# Altium PCB S6.PcbDoc (part 13 of 14) (continued)
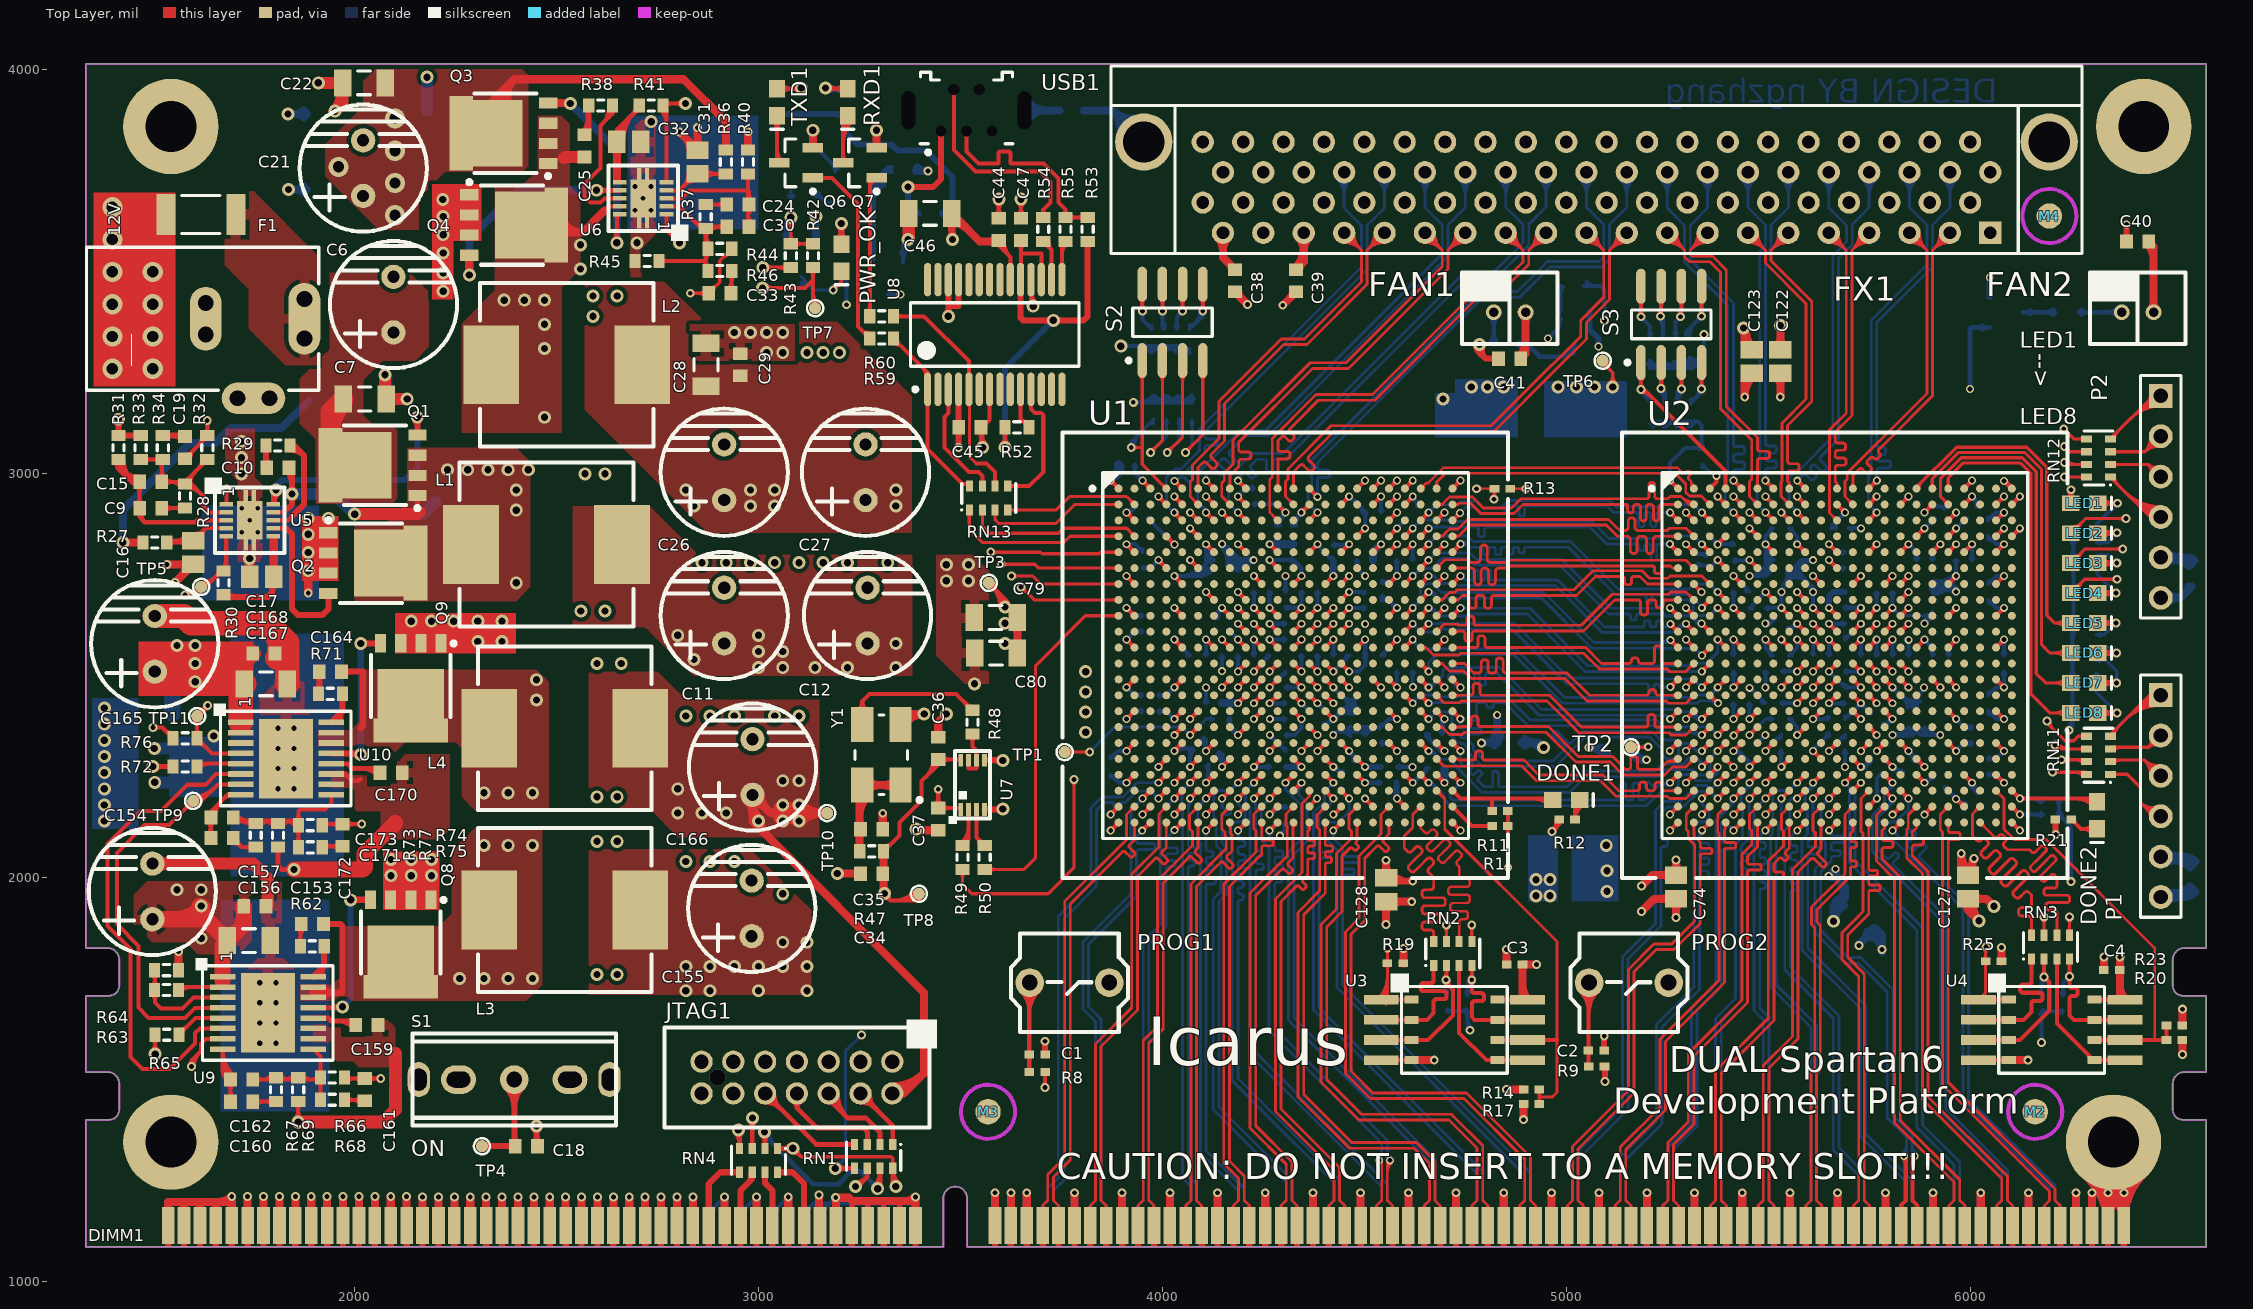
[diagram p0: Top Layer view]
## Nets (pads, with @x,y where several pads share a name; then routed paths per layer and width w, separated by ;. In a path a pad name is that pad's centre, name@x,y a point inside that pad or via, vN(x,y) a via of type N, cw(c..) or ccw(c..) an arc to the next point about the centre after c; other vN are vias at no path point) (continued)
; U2.L16@5867.17,2569.69 v1(5886.85,2589.37) ; U2.L16@5867.17,2574.53 ccw(c5867.17,2586.22) 5875.43,2577.95 ccw(c5883.7,2569.69) U2.L16@5872.01,2569.69 ; U2.D16@5867.17,2845.28 v1(5886.85,2864.96) ; U2.D16@5867.17,2850.12 ccw(c5867.17,2861.81) 5875.43,2853.54 ccw(c5883.7,2845.28) U2.D16@5872.01,2845.28 ; v1@5882.01,2589.37 cw(c5870.32,2589.37) 5878.58,2581.1 cw(c5886.85,2572.84) v1@5886.85,2584.53 ; v1@5882.01,2864.96 cw(c5870.32,2864.96) 5878.58,2856.7 cw(c5886.85,2848.43) v1@5886.85,2860.12 ; U2.E17@5906.54,2805.91 v1(5926.22,2825.59) ; U2.E17@5906.54,2810.75 ccw(c5906.54,2822.44) 5914.8,2814.17 ccw(c5923.07,2805.91) U2.E17@5911.38,2805.91 ; v1@5921.38,2825.59 cw(c5909.69,2825.59) 5917.95,2817.32 cw(c5926.22,2809.06) v1@5926.22,2820.75 ; U2.U18@5945.91,2328.62 cw(c5945.91,2316.93) 5954.17,2325.2 cw(c5962.44,2333.46) U2.U18@5950.75,2333.46 ; U2.U18@5945.91,2333.46 v1(5965.59,2313.78) ; U2.N18@5945.91,2486.1 cw(c5945.91,2474.41) 5954.17,2482.68 cw(c5962.44,2490.95) U2.N18@5950.75,2490.95 ; U2.N18@5945.91,2490.95 v1(5965.59,2471.26) ; U2.J18@5945.91,2648.43 v1(5965.59,2668.11) ; U2.J18@5945.91,2653.27 ccw(c5945.91,2664.96) 5954.17,2656.69 ccw(c5962.44,2648.43) U2.J18@5950.75,2648.43 ; v1@5960.75,2313.78 ccw(c5949.06,2313.78) 5957.32,2322.05 ccw(c5965.59,2330.31) v1@5965.59,2318.62 ; v1@5960.75,2471.26 ccw(c5949.06,2471.26) 5957.32,2479.53 ccw(c5965.59,2487.79) v1@5965.59,2476.1 ; v1@5960.75,2668.11 cw(c5949.06,2668.11) 5957.32,2659.84 cw(c5965.59,2651.58) v1@5965.59,2663.27 ; U2.E19@5985.28,2805.91 v1(6004.96,2825.59) ; U2.E19@5985.28,2810.75 ccw(c5985.28,2822.44) 5993.54,2814.17 ccw(c6001.81,2805.91) U2.E19@5990.12,2805.91 ; U2.B19@5985.28,2924.02 v1(6004.96,2943.7) ; U2.B19@5985.28,2928.86 ccw(c5985.28,2940.55) 5993.54,2932.28 ccw(c6001.81,2924.02) U2.B19@5990.12,2924.02 ; v1@6000.12,2825.59 cw(c5988.43,2825.59) 5996.69,2817.32 cw(c6004.96,2809.06) v1@6004.96,2820.75 ; v1@6000.12,2943.7 cw(c5988.43,2943.7) 5996.69,2935.44 cw(c6004.96,2927.17) v1@6004.96,2938.86 ; U2.W21@6064.02,2249.88 cw(c6064.02,2238.19) 6072.28,2246.46 cw(c6080.55,2254.72) U2.W21@6068.86,2254.72 ; U2.W21@6064.02,2254.72 v1(6083.7,2235.04) ; U2.R21@6064.02,2407.36 cw(c6064.02,2395.67) 6072.28,2403.94 cw(c6080.55,2412.2) U2.R21@6068.86,2412.2 ; U2.R21@6064.02,2412.2 v1(6083.7,2392.52) ; U2.L21@6064.02,2569.69 v1(6083.7,2589.37) ; U2.L21@6064.02,2574.53 ccw(c6064.02,2586.22) 6072.28,2577.95 ccw(c6080.55,2569.69) U2.L21@6068.86,2569.69 ; U2.G21@6064.02,2727.17 v1(6083.7,2746.85) ; U2.G21@6064.02,2732.01 ccw(c6064.02,2743.7) 6072.28,2735.43 ccw(c6080.55,2727.17) U2.G21@6068.86,2727.17 ; U2.C21@6064.02,2884.65 v1(6083.7,2904.33) ; U2.C21@6064.02,2889.49 ccw(c6064.02,2901.18) 6072.28,2892.91 ccw(c6080.55,2884.65) U2.C21@6068.86,2884.65 ; v1@6078.86,2235.04 ccw(c6067.17,2235.04) 6075.44,2243.31 ccw(c6083.7,2251.57) v1@6083.7,2239.88 ; v1@6078.86,2392.52 ccw(c6067.17,2392.52) 6075.44,2400.79 ccw(c6083.7,2409.05) v1@6083.7,2397.36 ; v1@6078.86,2589.37 cw(c6067.17,2589.37) 6075.44,2581.1 cw(c6083.7,2572.84) v1@6083.7,2584.53 ; v1@6078.86,2746.85 cw(c6067.17,2746.85) 6075.44,2738.58 cw(c6083.7,2730.32) v1@6083.7,2742.01 ; v1@6078.86,2904.33 cw(c6067.17,2904.33) 6075.44,2896.07 cw(c6083.7,2887.8) v1@6083.7,2899.49
  Top Layer w15: C45.2@3489.61,3107.2 cw(c3475.45,3093.04) 3495.47,3093.04 ; C45.2@3489.61,3122.8 ccw(c3475.45,3136.96) 3495.47,3136.96 ; v3(3495.47,3065.47) U8.4@3495.47,3209.13 ; 3495.47,3093.2 cw(c3515.28,3093.2) C45.2@3501.27,3107.2 ; 3495.47,3136.8 ccw(c3515.28,3136.8) C45.2@3501.27,3122.8 ; U8.4@3495.43,3209.17 U8.4@3495.47,3209.13
  Top Layer w20: C166.1@2970.86,2190.86 cw(c2936.72,2156.72) 2985,2156.72 cw(c3033.28,2156.72) C166.1@2999.14,2190.86 ; C166.1@2985,2185 cw(c2985,2136.72) 3019.14,2170.86 cw(c3053.28,2205) C166.1@3005,2205 ; C166.1@2985,2190.7 ccw(c3050.7,2190.7) v2@3004.24,2144.24 ; v2@3006,2140 ccw(c3056.7,2140) 3020.85,2104.15 ; 3034.48,2159.44 ccw(c3029.59,2183.58) v2@3054.04,2180.7 ; 3034.48,2160.56 cw(c3029.59,2136.42) v2@3054.04,2139.3 ; v2@3047.21,2145.68 cw(c3069.23,2135.9) 3069.23,2160 cw(c3069.23,2184.1) v2@3047.21,2174.32 ; v2@3049.42,2149.17 cw(c3062.11,2138.17) 3071.49,2152.1 ; v2@3049.42,2170.83 ccw(c3062.11,2181.83) 3071.49,2167.9 ; v2@3054.06,2139.15 ccw(c3030,2135.69) 3030,2160 ; v2@3054.06,2180.85 cw(c3030,2184.31) 3030,2160 ; v2@3064.54,2136.07 cw(c3079.3,2123.28) v2@3090.22,2139.49 ; v2@3064.54,2183.93 ccw(c3079.3,2196.72) v2@3090.22,2180.51 ; v2@3065.48,2137.56 cw(c3100,2122.23) 3100,2160 ; v2@3065.48,2182.44 ccw(c3100,2197.77) 3100,2160 ; v2@3073.86,2141.99 ccw(c3053.08,2139.01) 3053.08,2160 ccw(c3053.08,2180.99) v2@3073.86,2178.01 ; v2@3090.1,2149.9 cw(c3114.49,2125.51) 3114.49,2160 cw(c3114.49,2194.49) v2@3090.1,2170.1 ; v2@3095.76,2135.76 ccw(c3037.23,2077.23) 3037.23,2160 ccw(c3037.23,2242.77) v2@3095.76,2184.24 ; v2@3104.24,2135.76 cw(c3162.77,2077.23) 3162.77,2160 cw(c3162.77,2242.77) v2@3104.24,2184.24 ; v2@3109.9,2149.9 ccw(c3085.51,2125.51) 3085.51,2160 ccw(c3085.51,2194.49) v2@3109.9,2170.1 ; 3150,1187.58 ccw(c3171.76,1187.58) DIMM1.42@3156.37,1172.19 ; v3(3150,1214) 3150,1140.91 DIMM1.42@3152.31,1138.6 ; TP10.1@3170,2160 3100,2160 ; JTAG1.2@3331.22,1463.19 ccw(c3331.22,1525.88) 3375.55,1481.55 ; JTAG1.2@3331.22,1465.63 3359.63,1465.63 ; JTAG1.2@3331.22,1483.19 ccw(c3331.22,1594.17) 3409.69,1515.69 ; JTAG1.2@3346.93,1457.78 cw(c3359.63,1451.43) 3359.63,1465.63 ; JTAG1.2@3346.93,1473.48 ccw(c3359.63,1479.83) 3359.63,1465.63 ; C39.2@4328.9,3509.62 ccw(c4277.97,3560.55) 4350,3560.55 ; C39.2@4331,3505.56 4350,3524.56 FX1.35@4350,3596.61 ; FX1.35@4337.58,3584.2 cw(c4307.61,3554.22) 4350,3554.22 cw(c4392.39,3554.22) FX1.35@4362.42,3584.2 ; C39.2@4338.72,3505.56 cw(c4357.35,3505.56) C39.2@4344.17,3518.73 ; v3(5442,3190) 5442,3231.47 C123.2@5459,3248.47 ; v3@5442,3193.55 cw(c5508.01,3193.55) C123.2@5461.33,3240.23 ; C122.2@5521.76,3240.23 cw(c5501.87,3220.34) 5530,3220.34 cw(c5558.13,3220.34) C122.2@5538.24,3240.23 ; v3(5530,3190) C122.2@5530,3248.47 ; 3030,2160 C166.1@2985,2205 2985,2140 3410,1715 3410,1516 3359.63,1465.63 ; 3030,2160 3100,2160
  Mid-Layer 2 w20: v3(3150,1214) 3150,1318 3177,1345 3227,1345 3331.22,1449.22 JTAG1.2@3331.22,1465.63 ; 3289.64,1407.64 ccw(c3231.65,1465.63) JTAG1.2@3313.66,1465.63
  Mid-Layer 3 w10: v3(2017.56,2132.56) 2912.56,2132.56 C166.1@2985,2205 ; v3@2021.8,2128.32 cw(c2032.04,2118.07) 2032.04,2132.56 cw(c2032.04,2147.04) v3@2021.8,2136.8 ; v2@2920,2151 ccw(c2920,2177.56) 2938.78,2158.78 ; v2@2920,2161 ccw(c2920,2211.7) 2955.85,2175.85 ; v2@2920,2171 ccw(c2920,2245.84) C166.1@2972.92,2192.92 ; C166.1@2960,2205 cw(c2899.64,2205) 2942.32,2162.32 cw(c2985,2119.64) C166.1@2985,2180 ; C166.1@2970,2205 cw(c2933.79,2205) 2959.39,2179.39 cw(c2985,2153.79) C166.1@2985,2190
  Mid-Layer 4 w8: 5310.62,2372.38 5395.62,2372.38 ; 5315,2293 5327.61,2293 5327.86,2293.25 5393.88,2293.25 v1(5414.41,2313.78) ; 5320.31,2334.31 5396.76,2334.31 5401.14,2338.69 ; 5395,2373 5395.62,2372.38 ; v1@5408.57,2313.78 cw(c5394.46,2313.78) 5404.43,2303.8 cw(c5414.41,2293.83) v1@5414.41,2307.94 ; v1@5408.66,2314.8 ccw(c5381.99,2319.54) 5401.14,2338.69 ; v1@5410.92,2318.46 ccw(c5405.72,2325.42) 5414.41,2325.42 ; 5411.99,2327.84 cw(c5400.41,2316.27) v1@5416.53,2313.4 ; v1@5414.41,2319.62 ccw(c5414.41,2333.73) 5424.38,2323.75 ccw(c5434.36,2313.78) v1@5420.25,2313.78 ; v1@5417.9,2318.46 cw(c5423.09,2325.42) 5414.41,2325.42 ; 5435,2373 5435,2361.08 5434.94,2361.02 5434.94,2334.31 v1(5414.41,2313.78) ; v1@5449.65,2278.54 ccw(c5439.67,2288.51) 5453.78,2288.51 ccw(c5467.88,2288.51) v1@5457.91,2278.54 ; v1@5451.62,2392.52 ccw(c5465.97,2392.52) 5455.82,2382.37 ; v1(5453.78,2274.41) 5453.78,2326.5 5472.62,2345.34 5472.62,2365.57 v1@5453.78,2384.42 ; v1@5459.62,2392.52 ccw(c5493.29,2392.52) 5469.48,2368.71 ; 5395.62,2372.38 5395.62,2344.21 5401.14,2338.69 ; 5401.14,2338.69 5414.41,2325.42 ; v1(5414.41,2313.78) 5414.41,2325.42
  Bottom Layer w8: v1@4497.72,2869.09 ccw(c4486.63,2880.19) 4502.31,2880.19 ; C59.2@4498.18,2900.87 cw(c4488.21,2890.9) 4502.31,2890.9 cw(c4516.42,2890.9) C59.2@4506.45,2900.87 ; v1(4501.85,2864.96) 4502.31,2865.43 C59.2@4502.31,2905 ; 4502.31,2877.95 ccw(c4514.84,2877.95) v1@4505.98,2869.09 ; C57.2@4576.18,2506.87 cw(c4566.21,2496.9) 4580.31,2496.9 cw(c4594.42,2496.9) C57.2@4584.45,2506.87 ; v1@4576.46,2475.39 ccw(c4567.15,2484.7) 4580.31,2484.7 ; 4580.31,2486.03 ccw(c4595.36,2486.03) v1@4584.72,2475.39 ; C57.2@4580.31,2511 4580.31,2471.54 v1(4580.59,2471.26) ; v1@4618.45,2938.06 cw(c4614.8,2924.43) 4627.01,2931.49 cw(c4639.23,2938.54) v1@4625.61,2942.19 ; v1@4619.96,2937.86 cw(c4619.96,2923.75) 4629.94,2933.73 cw(c4639.91,2943.7) v1@4625.8,2943.7 ; C61.2@4629.47,2919.52 ccw(c4596.95,2920.69) v1(4619.96,2943.7) 4633.92,2929.74 C61.2@4633.92,2917.92 ; C61.2@4632.95,2930.71 cw(c4622.03,2919.79) C61.2@4637.47,2919.23 ; v1@5296.3,2898.49 cw(c5296.3,2883.49) 5306.9,2894.1 ; v1@5296.67,2904.33 C121.2@5322.08,2878.92 ; v1@5302.14,2904.33 ccw(c5315.35,2904.33) 5306.01,2894.99 ; C121.2@5314.85,2880.31 ccw(c5300.74,2880.31) 5310.71,2890.29 ccw(c5320.69,2900.26) C121.2@5320.69,2886.15
  Bottom Layer w10: R39.2@3202.73,3499.26 cw(c3167,3463.54) 3217.53,3463.54 ; R39.2@3205,3505.47 3217.53,3505.47 v3(3217.53,3418.47) ; R39.2@3209.8,3506.34 cw(c3191.14,3487.68) 3217.53,3487.68 ; v3@3213.28,3422.72 ccw(c3203.04,3432.96) 3217.53,3432.96 ccw(c3232.01,3432.96) v3@3221.77,3422.72 ; C100.2@3872,2248.5 cw(c3872,2232.06) 3883.63,2243.69 ; C100.2@3872,2255.31 3892.28,2235.04 v1(3911.3,2235.04) ; v2(3897,3316) 4004.25,3316 ; v2@3904.78,3308.22 cw(c3923.56,3289.44) 3923.56,3316 cw(c3923.56,3342.56) v2@3904.78,3323.78 ; v1@3907.87,2231.61 ccw(c3899.61,2223.35) 3899.61,2235.04 ccw(c3899.61,2246.73) v1@3907.87,2238.46 ; v1(3911.3,2392.52) 3931.09,2412.31 C49.2@3951,2412.31 ; v1@3911.3,2397.36 ccw(c3911.3,2409.05) 3919.56,2400.79 ccw(c3927.83,2392.52) v1@3916.14,2392.52 ; v1(3911.3,2589.37) 3931.24,2609.31 C53.2@3951,2609.31 ; v1@3911.3,2594.21 ccw(c3911.3,2605.9) 3919.56,2597.64 ccw(c3927.83,2589.37) v1@3916.14,2589.37 ; v1(3911.3,2904.33) 3920.49,2904.33 C106.2@3935.08,2918.92 cw(c3911.55,2942.44) v1@3911.33,2909.17 ; 3935.42,3316 cw(c3935.42,3267.06) RN5.4@3970.03,3301.67 ; C49.2@3947.58,2408.89 ccw(c3939.31,2400.62) 3939.31,2412.31 ccw(c3939.31,2424.01) C49.2@3947.58,2415.74 ; C53.2@3947.58,2605.89 ccw(c3939.31,2597.62) 3939.31,2609.31 ccw(c3939.31,2621.01) C53.2@3947.58,2612.74 ; C54.2@3951,2767.31 3971.13,2767.31 v1(3990.04,2786.22) ; C54.2@3954.42,2763.89 cw(c3962.69,2755.62) 3962.69,2767.31 cw(c3962.69,2779.01) C54.2@3954.42,2770.74 ; 3959.56,3316 cw(c3959.56,3291.2) RN5.4@3977.1,3308.74 ; 3966.92,3316 cw(c3966.92,3267.06) RN5.3@4001.52,3301.67 ; RN5.4@3967.9,3308.15 cw(c3983.88,3295.79) 3983.88,3316 ; RN5.4@3975.81,3302.03 cw(c4004.25,3280.06) 4004.25,3316 ; v1@3985.2,2786.22 cw(c3973.51,2786.22) 3981.77,2777.95 cw(c3990.04,2769.69) v1@3990.04,2781.38 ; C102.2@3990,2450.69 4008.83,2450.69 v1(4029.41,2471.26) ; 3991.06,3316 cw(c3991.06,3291.2) RN5.3@4008.59,3308.74 ; C102.2@3993.42,2447.26 cw(c4001.69,2438.99) 4001.69,2450.69 cw(c4001.69,2462.38) C102.2@3993.42,2454.11 ; RN5.3@3999.91,3308.74 cw(c4017.44,3291.2) 4017.44,3316 ; RN5.3@4006.98,3301.67 cw(c4041.59,3267.06) 4041.59,3316 ; v1@4024.57,2471.26 cw(c4012.88,2471.26) 4021.14,2462.99 cw(c4029.41,2454.73) v1@4029.41,2466.42 ; 4024.62,3316 cw(c4024.62,3295.79) RN5.2@4040.61,3308.15 ; v1(4029.41,2313.78) 4035.18,2319.55 C51.2@4074.55,2319.55 4068.78,2313.78 v1(4068.78,2274.41) ; RN5.2@4032.7,3302.03 ccw(c4004.25,3280.06) 4004.25,3316 ; v1@4032.83,2310.35 cw(c4055.02,2288.17) 4055.02,2319.55 ; 4052.26,3314.46 ccw(c4067.24,3329.45) RN5.1@4067.24,3308.25 ; 4058.1,2319.55 cw(c4058.1,2303.1) C51.2@4069.73,2314.73 ; v1@4065.35,2277.83 ccw(c4057.09,2286.1) 4068.78,2286.1 ccw(c4080.47,2286.1) v1@4072.2,2277.83 ; RN5.1@4067.24,3299.47 4050.72,3316 4004.25,3316 ; 4068.78,2295.9 cw(c4095.41,2295.9) C51.2@4076.58,2314.73 ; C98.2@4104.26,2553.42 ccw(c4094.88,2562.81) 4108.15,2562.81 ; v1@4104.72,2585.95 cw(c4096.46,2577.68) 4108.15,2577.68 cw(c4119.84,2577.68) v1@4111.57,2585.95 ; C98.2@4107.69,2550 4108.15,2550.46 v1(4108.15,2589.37) ; 4108.15,2560.57 ccw(c4118.26,2560.57) C98.2@4111.11,2553.42 ; C109.2@4226,2925.31 4283.69,2925.31 v1(4305,2904) 4284.31,2883.31 ; C109.2@4229.42,2921.89 cw(c4237.69,2913.62) 4237.69,2925.31 cw(c4237.69,2937.01) C109.2@4229.42,2928.74 ; v1(4265.63,2786.22) C107.2@4324.69,2786.22 4344.37,2766.53 v1(4344.37,2746.85) ; v1@4269.05,2782.8 cw(c4277.32,2774.53) 4277.32,2786.22 cw(c4277.32,2797.91) v1@4269.05,2789.65 ; C114.2@4280.97,2875.5 ccw(c4273.52,2883.31) 4284.31,2883.31 ; C114.2@4281.13,2872 cw(c4300.74,2872) 4286.87,2885.87 ; C114.2@4284.31,2872 4284.31,2883.31 ; C114.2@4287.66,2875.5 cw(c4295.11,2883.31) 4284.31,2883.31 ; C114.2@4291.13,2872 cw(c4334.89,2872) v1@4303.94,2902.94 ; 4298.35,2893.26 cw(c4309.62,2886.75) v1@4306.25,2899.32 ; 4299.29,2894.88 ccw(c4290.31,2900.06) v1@4300.32,2902.75 ; C50.2@4305,2352.69 4326.69,2352.69 4344.37,2370.37 v1(4344.37,2392.52) ; v1@4305,2899.16 ccw(c4305,2887.47) 4296.73,2895.73 ccw(c4288.47,2904) 4300.16,2904 ccw(c4288.47,2904) 4296.73,2912.27 ccw(c4305,2920.53) v1@4305,2908.84 ; C50.2@4308.42,2349.26 cw(c4316.69,2340.99) 4316.69,2352.69 cw(c4316.69,2364.38) C50.2@4308.42,2356.11 ; C107.2@4321.26,2782.8 ccw(c4312.99,2774.53) 4312.99,2786.22 ccw(c4313,2797.91) C107.2@4321.26,2789.64 ; C107.2@4324.69,2779.41 cw(c4324.69,2762.97) 4336.31,2774.59 ; v1@4340.95,2389.09 cw(c4332.68,2380.83) 4344.37,2380.83 cw(c4356.06,2380.83) v1@4347.8,2389.09 ; v1@4340.95,2750.28 ccw(c4332.68,2758.54) 4344.37,2758.54 ccw(c4356.06,2758.54) v1@4347.8,2750.28 ; v1(4383.74,2825.59) 4383.74,2823.57 C108.2@4423,2784.31 ; v1@4388.58,2825.59 ccw(c4405.15,2825.59) 4393.43,2813.88 ; 4411.37,2795.94 ccw(c4423,2807.57) C108.2@4423,2791.13 ; v1(4462.48,2510.63) 4486.63,2510.63 4502.31,2526.31 C99.2@4502.31,2550 4502.31,2588.91 v1(4501.85,2589.37) ; v1(4462.48,2707.48) 4501.2,2707.48 C62.2@4502,2706.69 ; v1@4462.48,2938.86 cw(c4462.48,2924.44) 4472.68,2934.63 ; v1(4462.48,2943.7) 4463.61,2943.7 C59.2@4502.31,2905 ; v1@4465.91,2507.2 cw(c4474.17,2498.94) 4474.17,2510.63 cw(c4474.17,2522.32) v1@4465.91,2514.05 ; v1@4465.91,2704.06 cw(c4474.17,2695.79) 4474.17,2707.48 cw(c4474.17,2719.17) v1@4465.91,2710.91 ; 4488.39,2707.48 cw(c4488.39,2693.07) C62.2@4498.58,2703.26 ; 4490.69,2916.63 cw(c4479.06,2905) C59.2@4495.5,2905 ; v1@4498.43,2585.95 cw(c4489.04,2576.56) 4502.31,2576.56 ; C99.2@4498.89,2546.58 cw(c4490.62,2538.31) 4502.31,2538.31 cw(c4514.01,2538.31) C99.2@4505.74,2546.58 ; C99.2@4498.89,2553.42 ccw(c4490.62,2561.69) 4502.31,2561.69 ccw(c4514.01,2561.69) C99.2@4505.74,2553.42 ; 4502.31,2578.8 cw(c4512.42,2578.8) v1@4505.28,2585.95 ; C103.2@4541,2333.31 4561.06,2333.31 v1(4580.59,2313.78) ; C105.2@4542,2686.5 cw(c4542,2637.74) v1@4576.48,2672.22 ; C105.2@4542,2693.31 4555.39,2693.31 v1(4580.59,2668.11) ; C105.2@4542,2696.5 cw(c4542,2671.88) 4559.41,2689.29 ; C103.2@4544.42,2329.89 cw(c4552.69,2321.62) 4552.69,2333.31 cw(c4552.69,2345.01) C103.2@4544.42,2336.74 ; C105.2@4545.42,2689.89 cw(c4553.69,2681.62) 4553.69,2693.31 cw(c4553.69,2705.01) C105.2@4545.42,2696.74 ; 4568.07,2677.08 cw(c4559.66,2662.5) v1@4575.91,2666.86 ; v1@4575.75,2313.78 ccw(c4564.06,2313.78) 4572.32,2322.05 ccw(c4580.59,2330.31) v1@4580.59,2318.62 ; v1@4575.75,2668.11 ccw(c4564.06,2668.11) 4572.32,2676.38 ccw(c4580.59,2684.64) v1@4580.59,2672.95 ; C104.2@4616.26,2789.42 ccw(c4607.99,2797.69) 4619.69,2797.69 ccw(c4631.38,2797.69) C104.2@4623.11,2789.42 ; v1@4616.54,2822.17 cw(c4608.94,2814.57) 4619.69,2814.57 ; C104.2@4619.69,2786 4619.69,2825.32 v1(4619.96,2825.59) ; 4619.69,2813.23 cw(c4632.32,2813.23) v1@4623.39,2822.17 ; C101.2@4689.26,2359.42 ccw(c4680.99,2367.69) 4692.69,2367.69 ccw(c4704.38,2367.69) C101.2@4696.11,2359.42 ; C101.2@4692.69,2356 4692.69,2386.5 v1(4698.7,2392.52) ; 4692.69,2366.3 cw(c4724.92,2366.3) v1@4702.13,2389.09 ; RN7.4@5202.59,3272.22 ccw(c5220.9,3284.03) 5220.9,3262.24 ; RN7.4@5207.76,3280.47 5207.76,3262.24 ; RN7.4@5211,3277.64 ccw(c5239.25,3295.86) 5239.25,3262.24 ; 5226.11,3262.24 ccw(c5226.11,3284.03) RN7.3@5244.41,3272.22 ; RN7.3@5234.91,3271.21 ccw(c5256.55,3292.85) 5256.55,3262.24 ; RN7.3@5236.01,3277.64 cw(c5207.76,3295.86) 5207.76,3262.24 ; RN7.3@5241.98,3278.28 ccw(c5280.69,3316.99) 5280.69,3262.24 ; 5257.6,3262.24 ccw(c5257.6,3284.03) RN7.2@5275.91,3272.22 ; 5260.8,3262.24 ccw(c5260.8,3316.99) RN7.1@5299.52,3278.28 ; RN7.2@5266.4,3271.21 ccw(c5288.05,3292.85) 5288.05,3262.24 ; RN7.2@5267.51,3277.64 cw(c5239.25,3295.86) 5239.25,3262.24 ; RN7.2@5273.48,3278.28 ccw(c5312.19,3316.99) 5312.19,3262.24 ; 5284.95,3262.24 ccw(c5284.95,3292.85) RN7.1@5306.59,3271.21 ; RN7.1@5298.31,3280.68 ccw(c5314.92,3300.6) 5333.26,3282.26 ; RN7.1@5304.71,3288.36 ccw(c5321.96,3309.04) 5341,3290 ; C60.2@5322.08,2773.08 5361.9,2773.08 v1(5375.04,2786.22) ; C60.2@5326.9,2777.9 ccw(c5338.52,2789.52) 5338.52,2773.08 ; v3@5336.76,3340.76 cw(c5326.51,3330.51) 5341,3330.51 cw(c5355.49,3330.51) v3@5345.24,3340.76 ; v3(5341,3345) 5341,3290 ; v1@5370.2,2786.22 cw(c5358.51,2786.22) 5366.77,2777.95 cw(c5375.04,2769.69) v1@5375.04,2781.38 ; C118.2@5410.58,2504.92 cw(c5401.32,2495.67) 5414.41,2495.67 ; C119.2@5410.89,2704.58 cw(c5402.62,2696.31) 5414.31,2696.31 cw(c5426.01,2696.31) C119.2@5417.74,2704.58 ; v1@5410.98,2474.68 ccw(c5402.72,2482.95) 5414.41,2482.95 ccw(c5426.1,2482.95) v1@5417.83,2474.68 ; v1@5410.98,2671.54 ccw(c5402.94,2679.58) 5414.31,2679.58 ; v1@5413.86,2318.91 cw(c5415.35,2304.94) 5425.29,2314.87 ; C118.2@5414,2510.31 5414.41,2509.91 v1(5414.41,2471.26) ; 5414.31,2680.03 ccw(c5426.33,2680.03) v1@5417.83,2671.54 ; C119.2@5414.31,2708 5414.31,2668.2 v1(5414.41,2668.11) ; v1(5414.41,2313.78) 5426.38,2313.78 C110.2@5440.08,2300.08 ; 5414.41,2497.64 cw(c5424.7,2497.64) C118.2@5417.42,2504.92 ; v1@5414.92,2308.96 cw(c5418.21,2278.21) C110.2@5440.08,2300.08 ; C115.2@5415,2785.31 5452.87,2785.31 v1(5453.78,2786.22) ; v1@5417.83,2310.35 cw(c5426.1,2302.09) 5426.1,2313.78 cw(c5426.1,2325.47) v1@5417.83,2317.2 ; C115.2@5418.42,2781.89 cw(c5426.69,2773.62) 5426.69,2785.31 cw(c5426.69,2797.01) C115.2@5418.42,2788.74 ; 5439.9,2785.31 ccw(c5439.9,2800.1) v1@5450.35,2789.65 ; v1@5448.96,2274.92 ccw(c5418.21,2278.21) C110.2@5440.08,2300.08 ; C116.2@5450.26,2427.58 cw(c5441.99,2419.31) 5453.69,2419.31 cw(c5465.38,2419.31) C116.2@5457.11,2427.58 ; v1@5450.35,2277.83 ccw(c5442.09,2286.1) 5453.78,2286.1 ccw(c5465.47,2286.1) v1@5457.2,2277.83 ; v1@5450.35,2395.94 ccw(c5442.31,2403.98) 5453.69,2403.98 ; 5453.69,2404.44 ccw(c5465.7,2404.44) v1@5457.2,2395.94 ; C116.2@5453.69,2431 5453.69,2392.61 v1(5453.78,2392.52) ; v1(5453.78,2274.41) 5453.78,2286.38 C110.2@5440.08,2300.08 ; 5454.87,2285.29 cw(c5444.94,2275.35) v1@5458.91,2273.86 ; v1@5489.72,2585.95 cw(c5481.46,2577.68) 5493.15,2577.68 cw(c5504.84,2577.68) v1@5496.57,2585.95 ; v1(5493.15,2589.37) 5493.15,2569.17 C117.2@5512.31,2550 ; 5500.69,2561.63 cw(c5489.06,2550) C117.2@5505.5,2550 ; C48.2@5551.69,2865 5571.89,2844.8 v1(5571.89,2825.59) ; C48.2@5558.5,2865 ccw(c5574.94,2865) 5563.31,2853.37 ; v1@5568.46,2829.02 ccw(c5560.2,2837.28) 5571.89,2837.28 ccw(c5583.58,2837.28) v1@5575.31,2829.02 ; v1@5611,2392.26 v1(5611.26,2392.52) 5646.83,2392.52 C55.2@5651,2396.69 ; v1@5614.68,2389.09 cw(c5622.95,2380.83) 5622.95,2392.52 cw(c5622.95,2404.21) v1@5614.68,2395.94 ; 5634,2392.52 ccw(c5634,2411.71) C55.2@5647.58,2398.14 ; v1(5650.63,2313.78) 5690,2353.15 C66.2@5690,2353.69 ; v1@5650.63,2318.62 ccw(c5650.63,2330.31) 5658.9,2322.05 ccw(c5667.16,2313.78) v1@5655.47,2313.78 ; v1@5650.63,2781.38 cw(c5650.63,2769.69) 5658.9,2777.95 cw(c5667.16,2786.22) v1@5655.47,2786.22 ; v1(5650.63,2786.22) 5670.54,2766.31 C112.2@5689,2766.31 ; C113.2@5657.13,2865 cw(c5671.91,2865) 5661.46,2875.46 ; C113.2@5660.31,2865 5660.31,2874.31 v1(5690,2904) ; C113.2@5667.13,2865 cw(c5706.06,2865) 5678.53,2892.53 ; 5679.29,2342.44 cw(c5690,2331.72) C66.2@5690,2346.87 ; v1@5685.16,2904 cw(c5673.47,2904) 5681.73,2895.73 cw(c5690,2887.47) v1@5690,2899.16 ; C112.2@5685.58,2762.89 ccw(c5677.31,2754.62) 5677.31,2766.31 ccw(c5677.31,2778.01) C112.2@5685.58,2769.74 ; v1@5886.85,2584.53 cw(c5886.85,2572.84) 5895.12,2581.1 cw(c5903.38,2589.37) v1@5891.69,2589.37 ; v1(5886.85,2589.37) 5907.31,2568.91 C56.2@5907.31,2550 ; v1(5886.85,2864.96) 5886.96,2864.96 C70.2@5913.08,2891.08 ; v1@5886.85,2869.8 ccw(c5886.85,2881.76) 5895.31,2873.31 ; v1@5891.69,2864.96 cw(c5903.12,2864.96) 5895.04,2873.04 ; C71.2@5903.26,2790.42 ccw(c5894.99,2798.69) 5906.69,2798.69 ccw(c5918.38,2798.69) C71.2@5910.11,2790.42 ; C56.2@5903.89,2553.42 ccw(c5895.62,2561.69) 5907.31,2561.69 ccw(c5919.01,2561.69) C56.2@5910.74,2553.42 ; C71.2@5906.69,2787 5906.69,2806.06 v1(5926.22,2825.59) ; C70.2@5906.85,2889.69 cw(c5895.16,2889.69) 5903.42,2881.42 cw(c5911.69,2873.16) C70.2@5911.69,2884.85 ; v1@5921.38,2825.59 cw(c5909.69,2825.59) 5917.95,2817.32 cw(c5926.22,2809.06) v1@5926.22,2820.75 ; v1(5965.59,2313.78) 5984.13,2332.31 C64.2@6005,2332.31 ; v1@5965.59,2318.62 ccw(c5965.59,2330.31) 5973.86,2322.05 ccw(c5982.12,2313.78) v1@5970.43,2313.78 ; C65.2@6001.26,2790.42 ccw(c5992.33,2799.36) 6004.96,2799.36 ; v1@6001.54,2822.17 cw(c5993.27,2813.9) 6004.96,2813.9 cw(c6016.65,2813.9) v1@6008.39,2822.17 ; C64.2@6001.58,2328.89 ccw(c5993.31,2320.62) 5993.31,2332.31 ccw(c5993.31,2344.01) C64.2@6001.58,2335.74 ; v1@6003.71,2939.02 cw(c5999.91,2924.84) 6012.63,2932.18 ; C65.2@6004.69,2787 6004.96,2787.28 v1(6004.96,2825.59) ; 6004.96,2798.02 ccw(c6015.71,2798.02) C65.2@6008.11,2790.42 ; v1@6004.96,2938.86 cw(c6004.96,2927.17) 6013.23,2935.44 cw(c6021.49,2943.7) v1@6009.8,2943.7 ; v1(6004.96,2943.7) 6019.92,2928.74 C69.2@6019.92,2917.92 ; v1@6007.36,2941.3 cw(c5985.37,2919.31) C69.2@6016.47,2919.31 ; C63.2@6044,2255.31 6063.43,2255.31 v1(6083.7,2235.04) ; C111.2@6044,2884.69 6063.65,2904.33 v1(6083.7,2904.33) ; C111.2@6044,2891.5 ccw(c6044,2907.94) 6055.63,2896.31 ; C67.2@6045,2405.5 cw(c6045,2389.06) 6056.63,2400.69 ; C67.2@6045,2412.31 6064.8,2392.52 v1(6083.7,2392.52) ; C120.2@6045,2726.69 6065.17,2746.85 v1(6083.7,2746.85) ; C120.2@6045,2733.5 ccw(c6045,2749.94) 6056.63,2738.31 ; C63.2@6047.42,2251.89 cw(c6055.69,2243.62) 6055.69,2255.31 cw(c6055.69,2267.01) C63.2@6047.42,2258.74 ; v1@6078.86,2235.04 ccw(c6067.17,2235.04) 6075.44,2243.31 ccw(c6083.7,2251.57) v1@6083.7,2239.88 ; v1@6080.28,2389.09 ccw(c6072.01,2380.83) 6072.01,2392.52 ccw(c6072.01,2404.21) v1@6080.28,2395.94 ; v1@6080.28,2585.95 cw(c6072.01,2577.68) 6083.7,2577.68 cw(c6095.39,2577.68) v1@6087.13,2585.95 ; v1@6080.28,2743.43 ccw(c6072.01,2735.16) 6072.01,2746.85 ccw(c6072.01,2758.54) v1@6080.28,2750.28 ; v1@6080.28,2900.91 ccw(c6072.01,2892.64) 6072.01,2904.33 ccw(c6072.01,2916.02) v1@6080.28,2907.76 ; C68.2@6080.58,2555.08 ccw(c6073.03,2562.62) 6083.7,2562.62 ; 6083.7,2564.06 ccw(c6096.41,2564.06) C68.2@6087.42,2555.08 ; v1(6083.7,2589.37) 6083.7,2549.98 C68.2@6084,2549.69 ; 5207.76,3262.24 5239.25,3262.24 ; 5207.76,3266.24 cw(c5217.07,3266.24) 5210.48,3272.82 ccw(c5217.07,3266.24) 5207.76,3266.24 ; 5207.76,3266.24 ccw(c5198.44,3266.24) 5205.03,3272.82 cw(c5198.44,3266.24) 5207.76,3266.24 ; 5239.25,3262.24 5313.24,3262.24 5341,3290 ; 5239.25,3266.24 cw(c5248.57,3266.24) 5241.98,3272.82 ccw(c5248.57,3266.24) 5239.25,3266.24 ; 5239.25,3266.24 ccw(c5229.94,3266.24) 5236.52,3272.82 cw(c5229.94,3266.24) 5239.25,3266.24
  Bottom Layer w15: C108.2@4423,2784.31 4423,2746.96 v1(4423.11,2746.85)
  Bottom Layer w20: C58.2@4521.69,2786 4521.69,2806.06 v1(4541.22,2825.59) ; v1@4698.69,2235.06 C52.2@4698.69,2272 ; v3(4790,2333) 4792,2335 C73.2@4830.47,2335 4829,2336.47 v7(4829,2403) ; C73.2@4822.23,2326.76 ccw(c4802.34,2306.87) 4802.34,2335 ccw(c4802.34,2363.13) C73.2@4822.23,2343.24 ; C73.2@4822.23,2349.15 ccw(c4805.89,2365.48) 4829,2365.48 ; 4829,2372.59 ccw(c4862.16,2372.59) C73.2@4838.71,2349.15 ; C72.2@5161.53,2308 5177.53,2292 v3(5199,2292) cw(c5199,2323.5) C72.2@5171.65,2307.88 ; P1.6@6471,1952 P1.6@6472,1952 6527.56,1952 C42.2@6550,1974.44 ; P2.6@6471,2693 P2.6@6472,2693 6520.56,2693 C43.2@6548,2720.44 ; P1.6@6479.98,1952 ccw(c6479.98,2042.49) C42.2@6543.97,1978.51 ; P1.6@6482.03,1968.75 ccw(c6508.46,2012.87) 6521.77,1963.2 ; P1.6@6485.81,1938.19 cw(c6519.14,1904.86) 6519.14,1952 cw(c6519.14,1999.14) P1.6@6485.81,1965.81 ; P2.6@6485.81,2679.19 cw(c6519.14,2645.86) 6519.14,2693 cw(c6519.14,2740.14) P2.6@6485.81,2706.81 ; P1.6@6488.91,1942.24 cw(c6523.63,1922.19) 6513.26,1960.92 ; 6528.26,1952 ccw(c6528.26,1994.21) C42.2@6558.11,1964.36 ; C43.2@6534.83,2707.27 ccw(c6521.65,2720.44) C43.2@6540.28,2720.44 ; C42.2@6536.83,1961.27 ccw(c6523.65,1974.44) C42.2@6542.28,1974.44
  other v2: 3000,2140 3060,2140 3100,2140 2800,2160 2860,2160 2920,2160 3060,2180 3100,2180 2800,2220 3060,2240 3100,2240
WP_A: R16.2 RN2.2 U3.3 | length 464.1
  Top Layer w10: U3.3@4578.21,1593.18 cw(c4589.84,1581.56) 4589.84,1598 cw(c4589.84,1614.44) U3.3@4578.21,1602.82 ; U3.3@4605.57,1594.58 ccw(c4597.31,1586.31) 4597.31,1598 ccw(c4597.31,1609.69) U3.3@4605.57,1601.42 ; U3.3@4616.65,1598 4619.65,1598 4658,1598 4719.19,1659.19 4719.19,1721.29 4703.25,1737.23 RN2.2@4703.25,1782.47 ; U3.3@4627.74,1594.58 cw(c4636,1586.31) 4636,1598 cw(c4636,1609.69) U3.3@4627.74,1601.42 ; v3@4697.76,1751.24 ccw(c4684.49,1764.51) 4703.25,1764.51 ; RN2.2@4700.52,1774.82 cw(c4693.94,1768.24) 4703.25,1768.24 cw(c4712.57,1768.24) RN2.2@4705.98,1774.82 ; 4703.25,1758.46 ccw(c4713.46,1758.46) v3@4706.24,1751.24 ; v3@4708,1747 ccw(c4743.06,1747) 4718.27,1722.21
  Bottom Layer w10: v3@4697.76,1742.76 cw(c4685.1,1730.1) 4703,1730.1 ; R16.2@4699.58,1715.08 ccw(c4691.31,1723.34) 4703,1723.34 ccw(c4714.69,1723.34) R16.2@4706.42,1715.08 ; v3(4702,1747) 4703,1746 R16.2@4703,1709.69 ; 4703,1734.93 cw(c4714.07,1734.93) v3@4706.24,1742.76
WP_B: R22.2 RN3.2 U4.3 | length 480.9
  Top Layer w10: U4.3@6057.21,1593.18 cw(c6068.84,1581.56) 6068.84,1598 cw(c6068.84,1614.44) U4.3@6057.21,1602.82 ; U4.3@6084.57,1594.58 ccw(c6076.31,1586.31) 6076.31,1598 ccw(c6076.31,1609.69) U4.3@6084.57,1601.42 ; U4.3@6095.65,1598 6098.65,1598 6123,1598 6196,1671 6196,1741 v3(6183,1754) 6183.25,1754.25 RN3.2@6183.25,1798.47 ; U4.3@6106.74,1594.58 cw(c6115,1586.31) 6115,1598 cw(c6115,1609.69) U4.3@6106.74,1601.42 ; v3@6178.76,1758.24 ccw(c6167.91,1769.09) 6183.25,1769.09 ; RN3.2@6180.52,1790.82 cw(c6173.94,1784.24) 6183.25,1784.24 cw(c6192.57,1784.24) RN3.2@6185.98,1790.82 ; v3@6183,1748 cw(c6183,1733.51) 6193.24,1743.76 cw(c6203.49,1754) v3@6189,1754 ; 6183.25,1767.88 ccw(c6196.88,1767.88) v3@6187.24,1758.24
  Bottom Layer w10: R22.2@6173.58,1713.08 ccw(c6165.31,1721.34) 6177,1721.34 ccw(c6188.69,1721.34) R22.2@6180.42,1713.08 ; R22.2@6177,1707.69 6177,1748 v3(6183,1754) ; 6177,1725.03 cw(c6211.97,1725.03) v3@6187.24,1749.76